# Allegro board REF_038HX-888005K4R-A100.brd (continued)
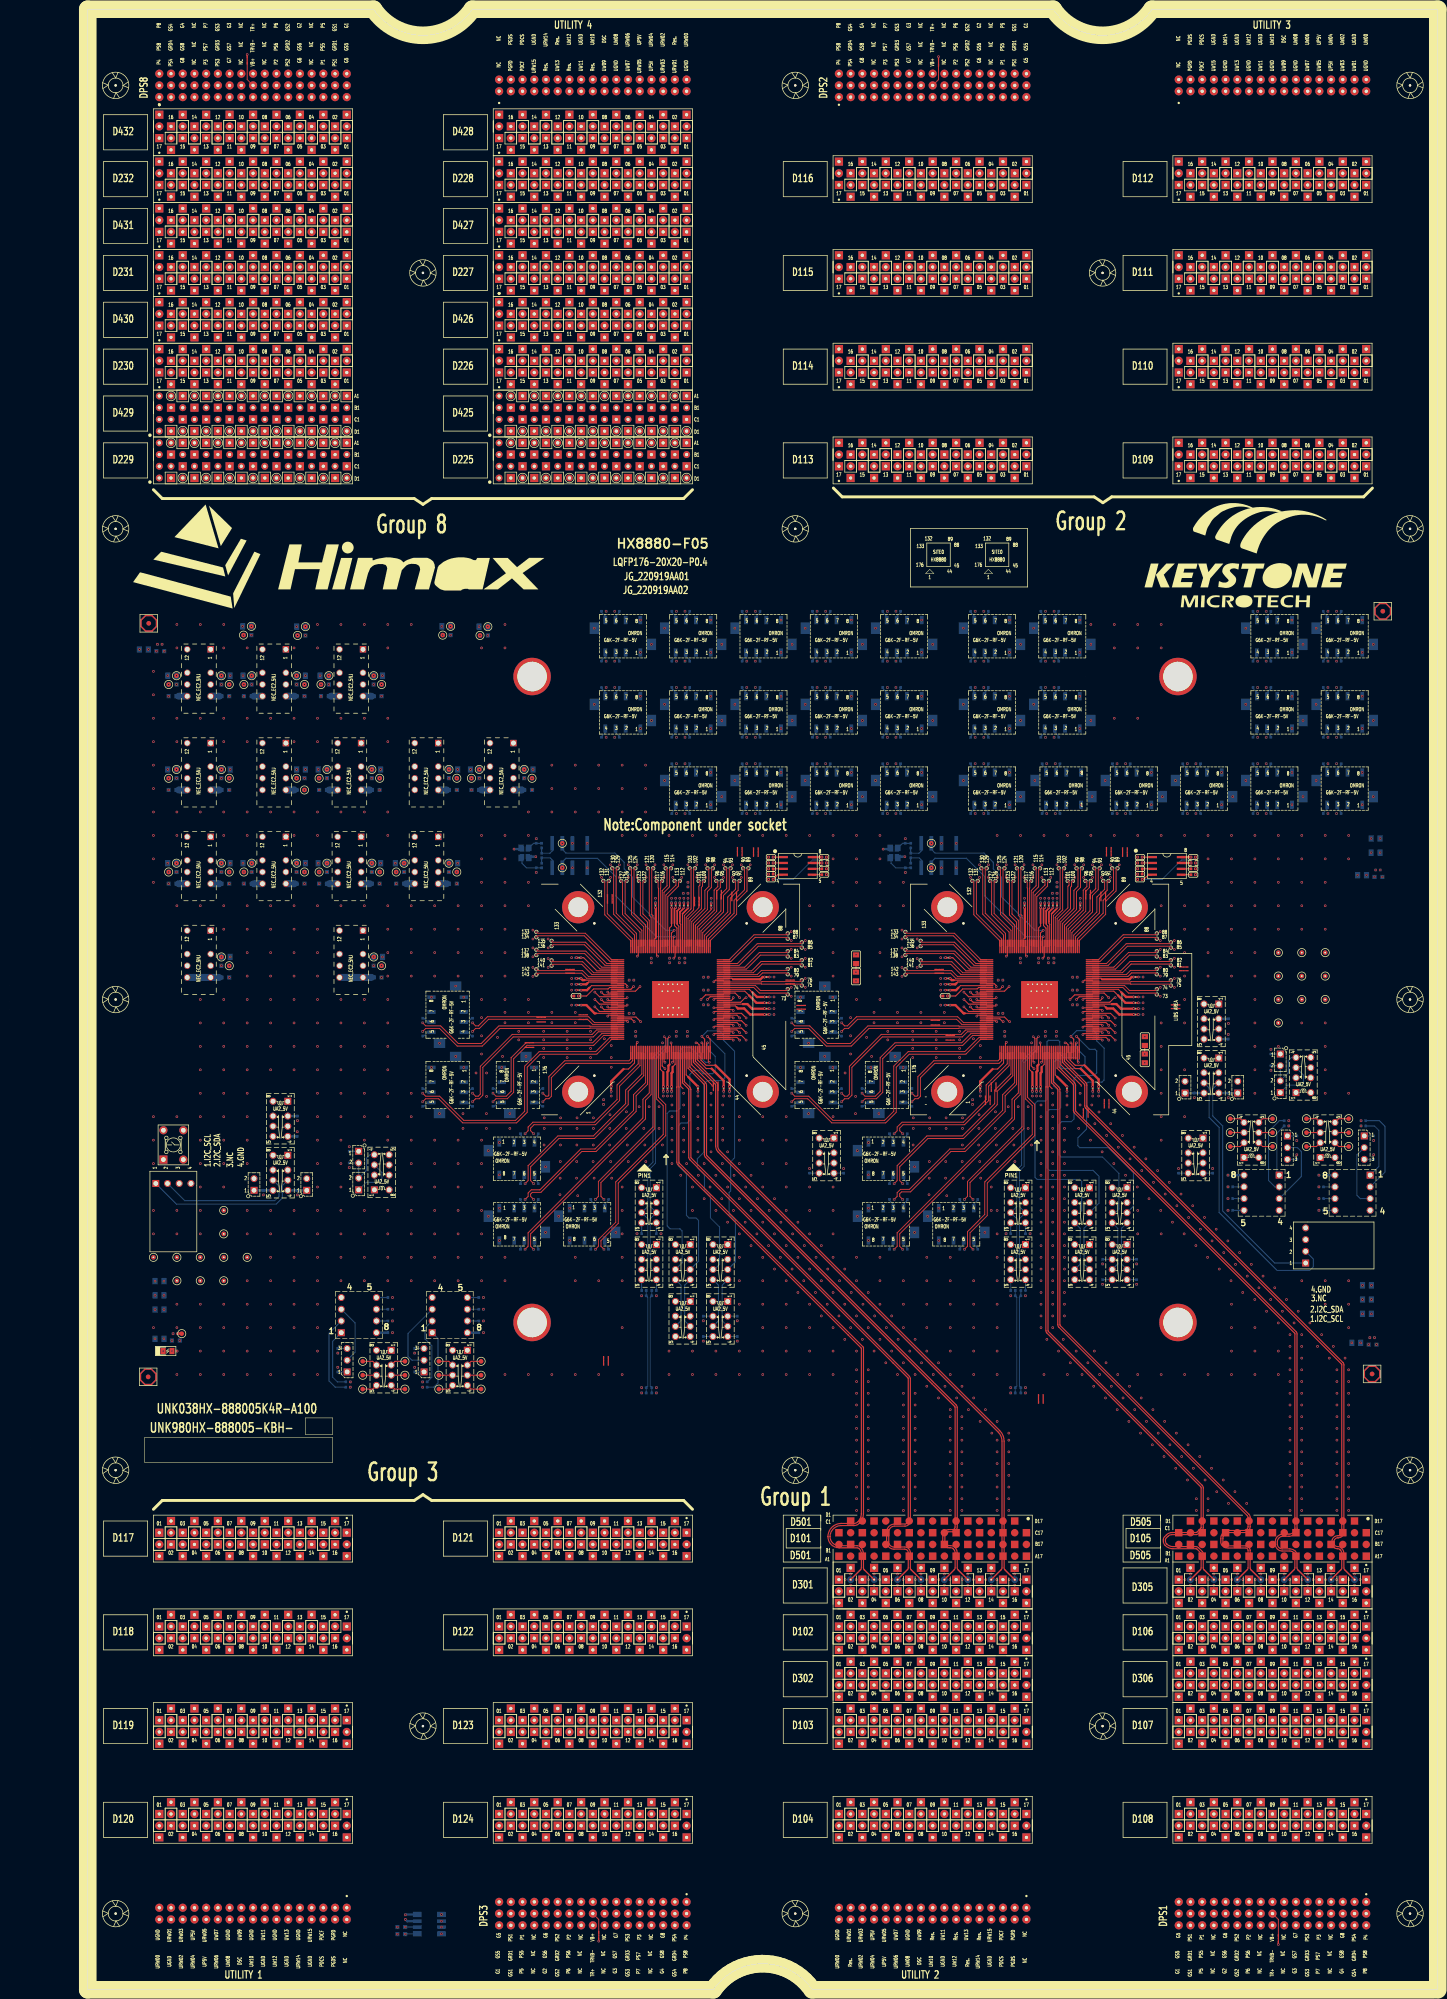
[diagram p0: board, top side]
## Routing (per net, layer and track width the routed paths; a pad name or vN(x,y) marks a point on that pad's centre or on a via; arc(x,y) is an arc through that point) (continued)
D12301: length 268.6
  TOP w0.231: SITE2.118 203.32,224.23 v1(203.52,224.03)
  L03_SIGNAL w0.145: v1(203.52,224.03) 203.52,219.99 202.45,218.92 202.45,210.06 205.53,206.99 205.53,206.13 205.78,205.88 205.78,204.47 206,204.25 206,200.67 205.7,200.36 204.68,200.36 202.45,198.13 202.45,183.27 198,178.81 198,167.65 195.38,165.03 195.38,160.45 188.92,153.99 188.92,141.88 182.51,135.47 182.51,133.73 181.29,132.52 181.29,114.03 179.54,112.28 163.03,112.28 144.41,93.67 144.41,58.48 133.56,47.62 97.42,47.62 D123.01
D12302: length 218.4
  TOP w0.231: SITE2.161 190.93,212.03 v1(189.92,213.03)
  L03_SIGNAL w0.145: v1(189.92,213.03) 187.66,210.77 187.66,208.42 187.02,207.77 187.02,203.46 186.32,202.76 183.23,202.76 178.06,197.59 178.06,186.04 171.08,179.07 171.08,175.72 156.48,161.11 156.48,160.02 153.94,157.48 153.94,154.94 147.59,148.59 147.59,131.86 134.89,119.16 134.89,74.23 131.14,70.48 103.77,70.48 D123.02
D12303: length 258.3
  L03_SIGNAL w0.145: D123.03 101.81,48.32 133.27,48.32 143.72,58.77 143.72,94.15 162.56,112.99 179.27,112.99 180.5,114.22 180.5,132.65 181.81,133.97 181.81,135.95 187.96,142.1 187.96,154.37 193.35,159.75 193.35,168.95 195.11,170.71 195.11,178.93 201.81,185.63 201.81,189.8 200.94,190.66 200.94,197.65 205.16,201.87 205.16,205.6 201.71,209.06 201.71,222.14 v1(202.16,222.59)
D12304: length 212.7
  TOP w0.231: SITE2.160 191.92,212.43 v1(191.32,213.03)
  L03_SIGNAL w0.145: D123.04 108.22,69.85 131.41,69.85 135.52,73.97 135.52,118.9 148.22,131.6 148.22,148.41 155.21,155.39 155.21,157.48 157.75,160.02 157.75,161.19 172.35,175.8 172.35,179.07 179.6,186.31 179.6,197.3 183.79,201.49 186.5,201.49 187.97,202.96 187.97,207.66 188.5,208.2 188.5,210.21 v1(191.32,213.03)
D12305: length 282.8
  TOP w0.231: v1(199.71,217.43) 198.71,216.43 SITE2.150
  L03_SIGNAL w0.145: D123.05 106.31,48.89 133.03,48.89 143.14,59.01 143.14,95.89 162.37,115.11 172.71,115.11 173.66,116.07 173.66,130.75 174.14,131.23 175.29,131.23 175.66,130.86 175.66,115.56 176.34,114.88 177.89,114.88 178.45,115.44 178.45,135.82 185.83,143.21 185.83,162.81 194.47,171.45 194.47,179.2 201.17,185.89 201.17,189.53 200.31,190.4 200.31,197.81 204.15,201.65 204.15,204.71 201.07,207.79 201.07,216.07 v1(199.71,217.43)
D12306: length 215.8
  TOP w0.231: v1(192.72,213.03) 192.92,212.83 SITE2.159
  L03_SIGNAL w0.145: v1(192.72,213.03) 192.55,212.86 192.55,212.59 190.23,210.27 190.23,201.36 189.17,200.3 184.4,200.3 180.87,196.77 180.87,183.14 173.91,176.18 173.91,172.23 160.23,158.55 160.23,157.42 157.11,154.31 157.11,151.76 149.49,144.14 149.49,131.07 136.79,118.37 136.79,73.44 131.93,68.58 116.43,68.58 113.4,65.55 113.4,57.65 113.18,57.43 109.02,57.43 108.3,58.16 108.3,59.21 108.06,59.44 102.89,59.44 D123.06
D12307: length 225.4
  TOP w0.231: SITE2.164 198.71,210.83 199.71,209.83 v1(199.84,209.83)
  L03_SIGNAL w0.145: v1(199.84,209.83) 199.84,209.7 200.23,209.32 200.23,206.84 199.36,205.98 198.89,205.98 198.55,205.64 198.55,205.11 198.91,204.75 198.91,185.9 192.59,179.59 192.59,170.73 185.05,163.19 185.05,160.66 173.62,149.22 173.62,147.95 169.81,144.14 169.81,140.33 162.83,133.35 162.83,132.98 142.51,112.66 142.51,59.27 132.77,49.53 110.76,49.53 D123.07
D12308: length 210.6
  TOP w0.231: v1(192.72,211.03) 192.92,211.23 SITE2.163
  L03_SIGNAL w0.145: D123.08 108.52,56.85 120.01,56.85 121.01,57.85 121.01,61.91 122.11,63.02 137.32,63.02 138.06,63.76 138.06,117.26 152.03,131.23 152.03,141.6 159.02,148.59 159.02,151.13 162.19,154.31 162.19,156.84 174.67,169.32 176.77,169.32 185.21,177.76 185.21,180.39 191.04,186.23 191.04,193.3 191.7,193.96 191.7,199.15 191.38,199.47 191.38,209.7 v1(192.72,211.03)
D12309: length 210.7
  L03_SIGNAL w0.145: v1(198.77,207.69) 198.03,206.94 198.03,205.86 198.02,205.85 198.02,204.89 198.38,204.54 198.38,189.79 198.33,189.74 198.33,186.23 191.95,179.85 191.95,173.27 190.71,172.03 190.71,170.76 179.97,160.02 179.97,159.38 169.81,149.22 169.81,146.69 167.27,144.14 167.27,141.6 158.38,132.71 158.38,130.81 141.87,114.3 141.87,59.54 132.5,50.16 115.2,50.16 D123.09
D12310: length 205.8
  TOP w0.231: SITE2.155 192.92,214.43 v1(192.72,214.63)
  L03_SIGNAL w0.145: D123.10 110.7,59.75 110.7,65.42 114.49,69.22 131.67,69.22 136.16,73.71 136.16,118.64 148.86,131.34 148.86,144.78 156.48,152.4 156.48,154.94 159.65,158.12 159.65,158.97 172.99,172.3 172.99,178.44 180.23,185.68 180.23,197.03 184.15,200.96 188.93,200.96 189.6,201.63 189.6,210.43 191.98,212.81 191.98,213.89 v1(192.72,214.63)
D12311: length 210.4
  TOP w0.231: SITE2.165 197.72,210.43 198.32,209.83 v1(198.44,209.83)
  L03_SIGNAL w0.145: v1(198.44,209.83) 198.32,209.83 197.47,208.99 197.47,205.12 197.29,204.93 197.29,201.28 197.58,200.99 197.58,186.46 191.26,180.14 191.26,173.84 178.7,161.29 178.7,159.38 169.18,149.86 169.18,147.32 166.64,144.78 166.64,142.24 157.75,133.35 157.75,131.07 141.24,114.56 141.24,59.8 132.24,50.8 119.65,50.8 D123.11
D12312: length 282.8
  TOP w0.231: v1(192.72,216.23) 192.92,216.03 SITE2.151
  L03_SIGNAL w0.145: v1(192.72,216.23) 193.45,215.5 193.45,212.62 190.81,209.98 190.81,201.08 189.41,199.68 184.79,199.68 181.57,196.45 181.57,190.33 182.08,189.81 189.74,189.81 190.22,189.33 190.22,187.93 190.01,187.72 184.38,187.72 183.84,187.19 183.84,185.01 184.21,184.64 184.21,178.96 179.41,174.16 178.65,174.16 178.2,174.62 178.2,175.55 181.6,178.94 181.6,179.86 180.99,180.47 179.75,180.47 176.04,176.76 176.04,171.38 174.84,170.18 174.26,170.18 161.56,157.48 161.56,154.94 158.38,151.76 158.38,149.22 150.13,140.97 150.13,130.81 137.43,118.11 137.43,73.18 132.2,67.94 117.48,67.94 116.98,67.45 116.98,66.72 117.31,66.39 134.77,66.39 135.22,66.85 135.22,69.49 135.58,69.85 136.78,69.85 137.29,69.34 137.29,64.82 136.84,64.36 116.68,64.36 116.07,63.75 116.07,59.46 D123.12
D12313: length 202.2
  TOP w0.231: SITE2.166 196.72,210.03 196.92,209.83 v1(197.05,209.83)
  L03_SIGNAL w0.145: v1(197.05,209.83) 196.95,209.73 196.95,205.33 196.75,205.14 196.75,191.28 196.07,190.6 196.07,186.96 188.9,179.79 188.9,172.76 177.43,161.29 177.43,160.02 173.62,156.21 172.99,156.21 165.37,148.59 165.37,144.78 154.57,133.99 154.57,130.18 140.6,116.2 140.6,60.06 131.98,51.44 124.09,51.44 D123.13
D12314: length 198.6
  TOP w0.231: SITE2.154 196.72,214.83 v1(196.92,215.03)
  L03_SIGNAL w0.145: v1(196.92,215.03) 194.99,213.1 194.99,212.48 192.56,210.05 192.56,203.84 194.84,201.55 194.84,192.07 194.17,191.39 194.17,188.53 187.05,181.41 187.05,178.52 167.91,159.38 167.91,158.12 164.1,154.31 164.1,152.4 161.56,149.86 161.56,147.32 152.67,138.43 152.67,130.96 138.7,116.99 138.7,63 138.01,62.32 126.09,62.32 D123.14
D12315: length 196.2
  L03_SIGNAL w0.145: v1(198.36,211.63) 197.52,210.79 196.69,210.79 196.42,210.52 196.42,205.78 196.11,205.48 196.11,191.54 195.44,190.86 195.44,187.22 188.27,180.05 188.27,175.93 172.99,160.66 172.99,157.48 164.73,149.22 164.73,145.41 153.94,134.62 153.94,130.44 139.97,116.47 139.97,60.32 131.71,52.07 128.54,52.07 D123.15
D12316: length 193.6
  TOP w0.231: SITE2.158 196.72,213.23 v1(196.92,213.43)
  L03_SIGNAL w0.145: v1(196.92,213.43) 196.84,213.43 193.19,209.79 193.19,205.82 195.48,203.54 195.48,191.8 194.8,191.12 194.8,187.49 187.63,180.32 187.63,176.57 164.73,153.67 164.73,151.76 162.19,149.22 162.19,146.69 153.3,137.8 153.3,130.7 139.33,116.73 139.33,60.86 138.08,59.61 128.46,59.61 D123.16
D12401: length 381.2
  L03_SIGNAL w0.145: D124.01 97.44,27.29 135.29,27.29 159.98,51.97 159.98,87.43 167.23,94.68 267.03,94.68 276.93,104.57 276.93,143.98 277.28,144.33 277.28,162.51 276.49,163.31 276.49,175.4 274.51,177.38 274.51,191.11 269.23,196.38 261.55,196.38 258.91,199.02 257.8,199.02 256.22,200.6 247.59,200.6 247.28,200.91 v1(229.13,200.91)
D12402: length 279.3
  L03_SIGNAL w0.145: v1(206.12,222.59) 206.12,221.35 203.09,218.32 203.09,210.59 206.95,206.73 206.95,206.03 207.21,205.77 207.21,201.57 207.5,201.28 207.5,200.74 207.25,200.5 207.25,145.61 193.9,132.27 193.9,127.65 190.57,124.31 190.57,102.76 189.59,101.78 163.56,101.78 152.82,91.03 152.82,56.7 139.19,43.07 117.28,43.07 115.98,41.77 115.98,37.49 115.29,36.8 93.01,36.8 D124.02
D12403: length 377.1
  TOP w0.231: UNK2RT9.1 229.13,204.66 v1(229.13,202.81)
  L03_SIGNAL w0.145: v1(229.13,202.81) 228.31,202 228.31,200.7 228.88,200.14 246.39,200.14 248.18,198.34 258.69,198.34 261.39,195.64 268,195.64 273.1,190.54 273.1,176.53 275.27,174.36 275.27,104.19 266.4,95.31 166.96,95.31 159.34,87.69 159.34,52.24 135.03,27.93 101.88,27.93 D124.03
D12404: length 236.3
  TOP w0.231: SITE2.18 204.52,200.23 v1(205.12,199.63)
  L03_SIGNAL w0.145: v1(205.12,199.63) 203.09,197.6 203.09,183.01 198.63,178.55 198.63,167.39 196.01,164.77 196.01,160.19 190.29,154.46 190.29,138.89 182.55,131.15 182.55,113.88 179.46,110.79 162.94,110.79 145.05,92.9 145.05,58.22 133.82,46.99 105.68,46.99 D124.04
D12405: length 340.7
  TOP w0.231: SITE2.50 220.72,208.03 v1(221.32,207.43)
  L03_SIGNAL w0.145: UNK2S1_I2C.1 263.9,157.41 263.9,144.88 261.89,142.88 260.62,142.88 244.74,127 240.93,127 230.14,116.2 226.33,116.2 206.07,95.95 166.64,95.95 158.71,88.02 158.71,52.5 134.77,28.56 106.33,28.56 D124.05
  L22_SIGNAL w0.145: v1(221.32,207.43) 222,208.11 235.33,208.11 239.4,204.03 242.5,204.03 243.38,203.15 243.38,198.34 UNK2K28.3 248.94,196.55 UNK2J4.2
  BOTTOM w0.231: UNK2S1_I2C.1 257.29,157.51 246.01,168.78 246.01,187.23 243.86,189.38 243.86,195.25 UNK2K28.3
D12406: length 195.4
  L03_SIGNAL w0.135: 103.78,40.01 103.78,42.55 106.89,45.66 136.1,45.66 146.95,56.51 146.95,89 163.31,105.36 181.81,105.36 185.4,108.95 185.4,129.02 195.25,138.86 195.25,149.74 197.75,152.25 197.75,158.75 199.02,160.02 200.98,160.02 201.87,159.13 201.87,158.58
  L03_SIGNAL w0.145: UNK2K9.2 202.14,158.31 201.87,158.58 ; D124.06 103.78,40.01
D12407: length 333.1
  TOP w0.231: v1(222.71,207.43) 221.71,208.43 SITE2.51
  L03_SIGNAL w0.145: UNK2S1_I2C.2 258.71,154.77 258.71,147.95 239.03,128.27 237.12,128.27 205.44,96.58 166.37,96.58 158.07,88.28 158.07,52.76 134.5,29.2 110.77,29.2 D124.07
  L22_SIGNAL w0.145: UNK2K28.6 241.63,196.89 UNK2J5.2 234.92,199.82 234.92,205.54 233.29,207.17 222.98,207.17 v1(222.71,207.43)
  BOTTOM w0.231: UNK2S1_I2C.2 265.67,158.38 265.67,156.72 264.86,155.9 257.8,155.9 245.24,168.46 245.24,186.91 243.09,189.06 243.09,195.43 UNK2K28.6
D12408: length 195.4
  L03_SIGNAL w0.135: 104.19,39.97 104.19,42.38 107.06,45.25 136.27,45.25 147.36,56.35 147.36,88.83 163.48,104.95 181.98,104.95 185.81,108.78 185.81,128.85 195.66,138.69 195.66,149.58 198.16,152.08 198.16,158.58 199.19,159.61 200.81,159.61 201.46,158.96 201.46,158.58
  L03_SIGNAL w0.145: 104.19,39.97 104.82,39.34 106.52,39.34 106.95,38.92 D124.08 ; UNK2K9.7 201.19,158.31 201.46,158.58
D12409: length 342.5
  TOP w0.231: SITE2.19 204.92,201.23 v1(205.12,201.03)
  L03_SIGNAL w0.145: D124.09 115.22,29.83 134.24,29.83 157.44,53.03 157.44,88.55 166.11,97.22 201.43,97.22 233.12,128.91 234.58,128.91 256.17,150.5 256.17,154.11 257.99,155.92 257.99,165.72 256.13,167.58 256.13,192.09 UNK2S1_RST_N.1
  L22_SIGNAL w0.145: UNK2K10.3 260.32,198.27 258.1,198.27 251.36,191.53 238.07,191.53 229.74,199.86 226.43,199.86 225.97,200.32 205.83,200.32 v1(205.12,201.03)
  BOTTOM w0.231: UNK2K10.3 263.51,198.25 263.51,196.62 262.96,196.07 260.11,196.07 UNK2S1_RST_N.1
D12410: length 233.3
  TOP w0.231: SITE2.24 206.92,201.23 v1(206.72,201.03)
  L03_SIGNAL w0.145: v1(206.72,201.03) 206.72,199.35 204,196.63 204,192.54 204.71,191.83 204.71,185.85 205.32,185.25 205.32,145.09 192.45,132.23 192.45,130.36 188.25,126.16 188.25,103.58 187.11,102.44 162.91,102.44 152.03,91.57 152.03,57.02 138.79,43.79 115.34,43.79 113.65,42.1 113.65,39.72 D124.10
D12411: length 219.9
  L03_SIGNAL w0.145: D124.11 119.6,30.53 133.95,30.53 156.8,53.38 156.8,88.81 165.85,97.85 200.8,97.85 214.26,111.32 214.26,133.35 215.53,134.62 215.53,137.16 224.14,145.76 224.14,169.5 UNK2K14.2
D12412: length 234
  L03_SIGNAL w0.145: D124.12 121.4,42.39 139.47,42.39 153.5,56.42 153.5,90.75 163.85,101.1 190.32,101.1 191.58,102.35 191.58,123.92 195.07,127.4 195.07,129.98 207.93,142.85 207.93,199.72 208.55,200.33 208.55,205.02 208.44,205.13 208.44,206.82 v1(207.57,207.69)
D12413: length 219.9
  L03_SIGNAL w0.145: D124.13 124.04,31.17 133.69,31.17 156.17,53.65 156.17,89.07 165.58,98.49 200.1,98.49 202.73,101.12 202.73,126.83 204.15,128.25 205.46,128.25 205.95,127.76 205.95,125.64 206.28,125.31 208.1,125.31 208.6,125.82 208.6,132.71 209.92,134.02 209.92,136.78 214.32,141.18 214.32,144.55 220.85,151.08 220.85,169.41 UNK2K14.7
D12414: length 230.6
  L03_SIGNAL w0.145: D124.14 125.8,41.71 139.75,41.71 154.17,56.14 154.17,90.47 164.13,100.42 191.67,100.42 192.4,101.15 192.4,120.83 196.73,125.16 196.73,130.7 208.61,142.57 208.61,198.85 209.7,199.94 209.7,205.58 209.29,205.99 209.29,207 v1(209.97,207.69)
D12415: length 219.9
  L03_SIGNAL w0.145: D124.15 128.49,31.8 133.42,31.8 155.53,53.91 155.53,89.34 165.32,99.12 197.19,99.12 200.6,102.53 200.6,126.72 201.83,127.95 201.83,132.3 212.74,143.21 212.74,158.99 213.43,159.69 214.99,159.69 215.56,159.12 215.56,153.14 216.32,152.38 217.77,152.38 218.43,153.04 218.43,169.35 UNK2K15.2
D12416: length 219.9
  L03_SIGNAL w0.145: D124.16 129,39.83 138.9,39.83 154.9,55.83 154.9,89.6 165.06,99.76 193.06,99.76 193.75,100.45 193.75,115.23 194.02,115.5 194.88,115.5 195.32,115.06 195.32,103.23 196.06,102.49 197.56,102.49 197.97,102.9 197.97,124.44 197.61,124.8 197.61,129.56 210.06,142.01 210.06,169.35 211.02,170.31 213.62,170.31 UNK2K15.7
D30102: length 142.6
  TOP w0.254: SITE1.26 127.72,195.68 127.69,195.65 127.69,179.35 arc(127.75,179.07) 127.9,178.84 151.75,155 164.87,141.87 167.69,139.05 167.69,103.16 arc(167.51,102.26) 167,101.49 166.92,101.41 arc(166.54,101.16) 166.09,101.07 163.31,101.07 arc(161.29,100.23) 160.45,98.21 arc(161.16,96.5) 162.87,95.79 166.79,95.79 arc(167.01,95.75) 167.19,95.62 arc(167.56,95.07) 167.69,94.42 167.69,91.43 arc(167.65,91.24) 167.54,91.07
  TOP w0.31: D301.02 167.54,91.07
D30104: length 142.7
  TOP w0.254: SITE1.27 128.12,195.68 128.15,195.65 128.15,179.35 arc(128.17,179.25) 128.22,179.17 168.15,139.24 168.15,103.16 arc(167.93,102.08) 167.32,101.17 167.24,101.09 arc(166.71,100.74) 166.09,100.61 163.31,100.61 arc(161.61,99.91) 160.9,98.21 arc(161.48,96.82) 162.87,96.25 166.79,96.25 arc(167.18,96.17) 167.51,95.95 arc(167.98,95.25) 168.15,94.42 168.15,91.41 arc(168.19,91.22) 168.3,91.05
  TOP w0.31: D301.04 168.3,91.05
D30106: length 142.7
  TOP w0.254: SITE1.29 128.92,196.58 130.2,195.3 arc(130.25,195.22) 130.27,195.12 130.27,180.44 arc(130.33,180.16) 130.48,179.93 174.59,135.82 177.78,132.64 arc(177.83,132.55) 177.85,132.46 177.85,101.88 arc(177.77,101.46) 177.53,101.1 arc(177.36,100.98) 177.16,100.95 174.92,100.95 arc(173.68,100.43) 173.17,99.19 173.17,97.09 arc(173.63,95.97) 174.75,95.5 177.09,95.5 arc(177.63,95.28) 177.85,94.74 177.85,91.43 arc(177.81,91.24) 177.7,91.08
  TOP w0.31: D301.06 177.7,91.08
D30108: length 142.6
  TOP w0.254: SITE1.30 129.32,196.82 130.52,195.62 arc(130.68,195.39) 130.73,195.12 130.73,180.44 arc(130.75,180.34) 130.81,180.26 178.1,132.96 arc(178.26,132.73) 178.31,132.46 178.31,101.88 arc(178.19,101.28) 177.85,100.77 arc(177.54,100.56) 177.16,100.49 174.92,100.49 arc(174,100.11) 173.62,99.19 173.62,97.09 arc(173.95,96.29) 174.75,95.96 177.09,95.96 arc(177.95,95.6) 178.31,94.74 178.31,91.41 arc(178.35,91.21) 178.46,91.05
  TOP w0.31: D301.08 178.46,91.05
D30110: length 142.7
  TOP w0.254: SITE1.32 130.12,199.73 133.59,196.26 arc(133.65,196.18) 133.66,196.08 133.66,180.97 arc(133.72,180.7) 133.87,180.47 183.01,131.33 187.94,126.4 arc(187.99,126.32) 188.01,126.22 188.01,100.28 arc(187.85,99.89) 187.47,99.73 186.58,99.73 arc(185.7,99.36) 185.33,98.47 185.33,97.17 arc(185.73,96.21) 186.69,95.81 187.02,95.81 arc(187.36,95.74) 187.65,95.55 arc(187.92,95.14) 188.01,94.67 188.01,94.67 188.01,91.44 arc(187.98,91.24) 187.87,91.08
  TOP w0.31: D301.10 187.87,91.08
D30112: length 142.6
  TOP w0.254: SITE1.33 130.52,199.98 133.91,196.58 arc(134.07,196.35) 134.12,196.08 134.12,180.97 arc(134.14,180.87) 134.2,180.79 183.33,131.65 188.26,126.72 arc(188.42,126.49) 188.47,126.22 188.47,100.28 arc(188.18,99.57) 187.47,99.27 186.58,99.27 arc(186.02,99.04) 185.79,98.47 185.79,97.17 arc(186.05,96.53) 186.69,96.27 187.02,96.27 arc(187.53,96.16) 187.97,95.87 arc(188.34,95.32) 188.47,94.67 188.47,91.41 arc(188.51,91.21) 188.62,91.05
  TOP w0.31: D301.12 188.62,91.05
D30114: length 142.7
  TOP w0.254: SITE1.35 131.32,200.98 136.04,196.26 arc(136.1,196.18) 136.12,196.08 136.12,182.9 arc(136.26,182.16) 136.68,181.53 197.38,120.84 arc(197.97,119.96) 198.17,118.92 198.17,91.44 arc(198.14,91.24) 198.03,91.08
  TOP w0.31: D301.14 198.03,91.08
D30116: length 142.6
  TOP w0.254: SITE1.36 131.72,201.23 136.37,196.58 arc(136.52,196.35) 136.57,196.08 136.57,182.9 arc(136.69,182.34) 137.01,181.86 197.7,121.16 arc(198.39,120.13) 198.63,118.92 198.63,91.41 arc(198.67,91.21) 198.78,91.05
  TOP w0.31: D301.16 198.78,91.05
D30502: length 142.7
  TOP w0.254: SITE2.26 207.72,195.68 207.69,195.65 207.69,142.86 arc(207.75,142.59) 207.9,142.36 241.28,108.98 arc(241.33,108.9) 241.35,108.8 241.35,100.21 arc(241.33,100.11) 241.28,100.03 240.42,99.18 arc(240.34,99.12) 240.24,99.1 235.04,99.1 arc(234.38,98.97) 233.83,98.6 233.41,98.18 arc(233.22,97.89) 233.15,97.55 233.15,97.26 arc(233.25,96.75) 233.54,96.32 233.59,96.27 arc(234.34,95.77) 235.22,95.6 240.24,95.6 arc(240.34,95.58) 240.42,95.52 241.28,94.67 arc(241.33,94.59) 241.35,94.49 241.35,91.43 arc(241.31,91.24) 241.2,91.07
  TOP w0.31: D305.02 241.2,91.07
D30504: length 142.6
  TOP w0.254: SITE2.27 208.12,195.68 208.15,195.65 208.15,142.86 arc(208.17,142.77) 208.22,142.68 241.6,109.31 arc(241.75,109.08) 241.81,108.8 241.81,100.21 arc(241.75,99.94) 241.6,99.71 240.75,98.85 arc(240.51,98.7) 240.24,98.64 235.04,98.64 arc(234.56,98.55) 234.15,98.28 233.73,97.86 arc(233.64,97.72) 233.6,97.55 233.6,97.26 arc(233.67,96.93) 233.86,96.65 233.91,96.6 arc(234.51,96.19) 235.22,96.05 240.24,96.05 arc(240.51,96) 240.75,95.84 241.6,94.99 arc(241.75,94.76) 241.81,94.49 241.81,91.41 arc(241.85,91.22) 241.96,91.05
  TOP w0.31: D305.04 241.96,91.05
D30506: length 142.6
  TOP w0.254: SITE2.29 208.92,196.58 210.2,195.3 arc(210.25,195.22) 210.27,195.12 210.27,144.13 arc(210.33,143.86) 210.48,143.63 251.38,102.73 arc(251.48,102.58) 251.51,102.4 251.51,100.4 arc(251.27,99.8) 250.67,99.55 247.3,99.55 arc(246.1,99.06) 245.61,97.86 245.61,97.04 arc(245.69,96.62) 245.93,96.27 arc(246.51,95.88) 247.19,95.75 251.01,95.75 arc(251.37,95.6) 251.51,95.24 251.51,91.44 arc(251.48,91.24) 251.37,91.08
  TOP w0.31: D305.06 251.37,91.08
D30508: length 142.6
  TOP w0.254: SITE2.30 209.32,196.82 210.52,195.62 arc(210.68,195.39) 210.73,195.12 210.73,144.13 arc(210.75,144.03) 210.81,143.95 251.7,103.05 arc(251.9,102.76) 251.97,102.41 251.97,100.4 arc(251.59,99.48) 250.67,99.1 247.3,99.1 arc(246.43,98.73) 246.06,97.86 246.06,97.04 arc(246.11,96.8) 246.25,96.59 arc(246.68,96.31) 247.19,96.2 251.01,96.2 arc(251.69,95.92) 251.97,95.24 251.97,91.41 arc(252.01,91.21) 252.12,91.05
  TOP w0.31: D305.08 252.12,91.05
D30510: length 142.7
  TOP w0.254: SITE2.32 210.12,199.73 213.59,196.26 arc(213.65,196.18) 213.66,196.08 213.66,190.55 arc(213.72,190.28) 213.87,190.05 261.6,142.32 arc(261.66,142.24) 261.67,142.14 261.67,100.02 arc(261.3,99.12) 260.41,98.75 259.09,98.75 arc(257.9,98.26) 257.4,97.07 257.4,96.62 arc(257.85,95.54) 258.93,95.1 260.57,95.1 arc(261.04,95) 261.43,94.74 arc(261.61,94.47) 261.67,94.16 261.67,91.44 arc(261.64,91.24) 261.53,91.08
  TOP w0.31: D305.10 261.53,91.08
D30512: length 142.6
  TOP w0.254: SITE2.33 210.52,199.98 213.91,196.58 arc(214.07,196.35) 214.12,196.08 214.12,190.55 arc(214.14,190.46) 214.2,190.37 261.92,142.65 arc(262.08,142.42) 262.13,142.14 262.13,100.02 arc(261.63,98.8) 260.41,98.3 259.09,98.3 arc(258.22,97.94) 257.86,97.07 257.86,96.62 arc(258.17,95.87) 258.93,95.55 260.57,95.55 arc(261.21,95.43) 261.76,95.06 arc(262.03,94.65) 262.13,94.16 262.13,91.41 arc(262.17,91.21) 262.28,91.05
  TOP w0.31: D305.12 262.28,91.05
D30514: length 142.7
  TOP w0.254: SITE2.35 211.32,200.98 216.04,196.26 arc(216.1,196.18) 216.12,196.08 216.12,191.57 arc(216.17,191.3) 216.32,191.07 271.76,135.63 arc(271.81,135.55) 271.83,135.45 271.83,99.21 arc(271.6,98.65) 271.04,98.41 270.97,98.41 arc(270.06,98.03) 269.68,97.12 269.68,96.81 arc(270.03,95.95) 270.88,95.6 270.98,95.6 arc(271.2,95.56) 271.38,95.43 271.54,95.27 arc(271.76,94.95) 271.83,94.57 271.83,91.44 arc(271.8,91.24) 271.69,91.08
  TOP w0.31: D305.14 271.69,91.08
D30516: length 142.6
  TOP w0.254: SITE2.36 211.72,201.23 216.36,196.58 arc(216.52,196.35) 216.57,196.08 216.57,191.57 arc(216.59,191.47) 216.65,191.39 272.08,135.95 arc(272.24,135.72) 272.29,135.45 272.29,99.21 arc(271.92,98.32) 271.04,97.95 270.97,97.95 arc(270.38,97.71) 270.14,97.12 270.14,96.81 arc(270.35,96.28) 270.88,96.06 270.98,96.06 arc(271.37,95.98) 271.71,95.76 271.87,95.6 arc(272.18,95.13) 272.29,94.57 272.29,91.41 arc(272.33,91.21) 272.44,91.05
  TOP w0.31: D305.16 272.44,91.05
MSDPS1_TRVB-: length 5.5
  TOP w0.203: SB1.2 258.08,15.24 DPS1.B09
MSDPS2_TRVB-: length 5.1
  TOP w0.203: DPS2.B09 184.42,414.02 SB2.2
MSDPS3_TRVB-: length 4.8
  TOP w0.203: SB3.2 110.76,15.24 DPS3.B09
MSDPS8_TRVB-: length 5.6
  TOP w0.203: SB8.2 34.56,414.02 DPS8.B09
S1_1AUX+: length 2.4
  BOTTOM w0.203: R129.1 K9.4
S1_1AUX-: length 2.4
  BOTTOM w0.203: R130.1 K9.5
S1_1SPI_CSN: length 11.1
  BOTTOM w0.231: K19.6 128.59,144.99 128.59,152.72 K15.5
S1_1SPI_SCK: length 11.1
  BOTTOM w0.231: K19.3 129.4,144.99 129.4,152.72 K15.4
S1_1SPI_SDI: length 11.1
  BOTTOM w0.231: K20.6 136.72,144.99 136.72,152.72 K14.5
S1_1SPI_SDO: length 11.1
  BOTTOM w0.231: K14.4 137.53,152.72 137.53,144.99 K20.3
S1_2AUX+: length 22.5
  BOTTOM w0.203: C3.1 R1.2 121.94,130.82 121.94,150.09 R3.1 R129.2
S1_2AUX-: length 22.5
  BOTTOM w0.203: R130.2 R2.2 121.39,150.09 121.39,130.82 R4.2 C4.1
S1_AUXCH+: length 58
  TOP w0.203: v2(126.09,206.57) 125.72,206.2 SITE1.21
  BOTTOM w0.203: K9.3 122.34,156.11 121.94,156.52 121.94,167.11 K12.3 121.94,169.76 121.94,178.02 123.06,179.14 123.06,201.79 125.79,204.52 125.79,206.28 v2(126.09,206.57)
S1_AUXCH-: length 58
  TOP w0.203: SITE1.20 125.32,206.2 v2(124.95,206.57)
  BOTTOM w0.203: K9.6 120.98,156.11 121.39,156.52 121.39,167.11 K12.6 121.39,169.76 121.39,178.24 122.51,179.37 122.51,202.02 125.25,204.75 125.25,206.28 v2(124.95,206.57)
S1_ISP_1LOCK: length 73.7
  TOP w0.231: R118.2 v1(104.89,215.39)
  L22_SIGNAL w0.145: v1(104.89,215.39) 102.4,212.9 80.64,212.9 54.91,187.17 K33.3
S1_SPI_1_CSN: length 85.8
  L22_SIGNAL w0.145: U1.1 79.75,142.42 81.05,143.73 85.8,143.73 91.97,137.55 117.61,137.55 123.34,143.29 123.34,143.94 122.73,144.55 121.95,144.55 119.71,142.32 118.88,142.32 118.46,142.73 118.46,143.34 121.11,145.99 K19.7
  BOTTOM w0.231: U1.1 75.93,141.16 75.93,131.53 75,130.61 R87.1
S1_SPI_1_SCK: length 85.8
  L22_SIGNAL w0.145: K19.2 128.97,147.62 115.55,147.62 114.61,146.69 114.61,139.9 113.76,139.04 111.12,139.04 110.29,139.87 110.29,145.66 109.7,146.26 108.18,146.26 107.51,145.59 107.51,139.63 106.92,139.04 104.69,139.04 104.08,139.65 104.08,150.23 102.87,151.44 92.35,151.44 87.21,146.3 83.49,146.3 U1.6
  BOTTOM w0.231: U1.6 R91.1
S1_SPI_1_SDI: length 2.1
  BOTTOM w0.231: K20.7 R127.1
S1_SPI_1_SDO: length 2.1
  BOTTOM w0.231: K20.2 R125.1
S1_SPI_2_CSN: length 120.2
  L22_SIGNAL w0.145: U2.1 56.41,142.42 56.99,143 56.99,147.34 57.41,147.76 59.27,147.76 59.72,147.31 59.72,139.23 58.28,137.79 58.28,131.14 58.82,130.61 60.32,130.61 60.71,131 60.71,136.05 61.64,136.98 67.41,136.98 69.01,138.58 71.25,138.58 72.04,137.79 76.62,137.79 77.4,137.02 83.85,137.02 86.15,134.72 120.52,134.72 K19.5
  BOTTOM w0.231: U2.1 53.1,140.56 53.1,132.76 54.11,131.75 R94.1
S1_SPI_2_SCK: length 120.2
  L22_SIGNAL w0.145: U2.6 64.65,145.42 64.65,141.71 65.72,140.64 67.58,140.64 68.33,141.38 68.33,160.55 69.06,161.28 71.1,161.28 71.89,160.49 71.89,141.15 72.4,140.64 84.79,140.64 89.27,136.16 118.87,136.16 125.41,142.69 128.45,142.69 129.55,141.59 K19.4
  BOTTOM w0.231: U2.6 R98.1
S1_SPI_2_SDI: length 2.1
  BOTTOM w0.231: K20.5 R128.1
S1_SPI_2_SDO: length 2.1
  BOTTOM w0.231: K20.4 R126.1
S1_SPI_11_SDI: length 83.7
  L22_SIGNAL w0.145: U1.2 78.48,148.77 83.02,148.77 84.14,149.89 84.14,150.12 87,152.98 115.22,152.98 118.7,149.5 124.67,149.5 126.03,150.86 131.3,150.86 133.44,148.72 v1(133.44,144.99)
  BOTTOM w0.231: R88.1 74.59,132.76 74.59,139.56 73.11,141.04 73.11,143.41 U1.2
S1_SPI_11_SDO: length 83.7
  L22_SIGNAL w0.145: U1.5 82.29,160.54 84.45,162.7 87.3,162.7 88.24,163.64 91.92,163.64 93.06,162.5 100.86,162.5 102.54,160.82 107.2,160.82 110.37,157.65 113.3,157.65 118.85,152.1 139.22,152.1 140.34,150.98 140.34,145.46 v1(140.81,144.99)
  BOTTOM w0.231: U1.5 R92.1
S1_SPI_22_SDI: length 118.1
  L22_SIGNAL w0.145: U2.2 52.9,142.9 52.9,132.85 56.62,129.13 86.71,129.13 89.75,132.17 121.27,132.17 128.27,139.17 132.01,139.17 v1(133.44,140.59)